# Altium PCB Axiom_Gamma_LSB.PcbDoc (part 1 of 4) (continued)
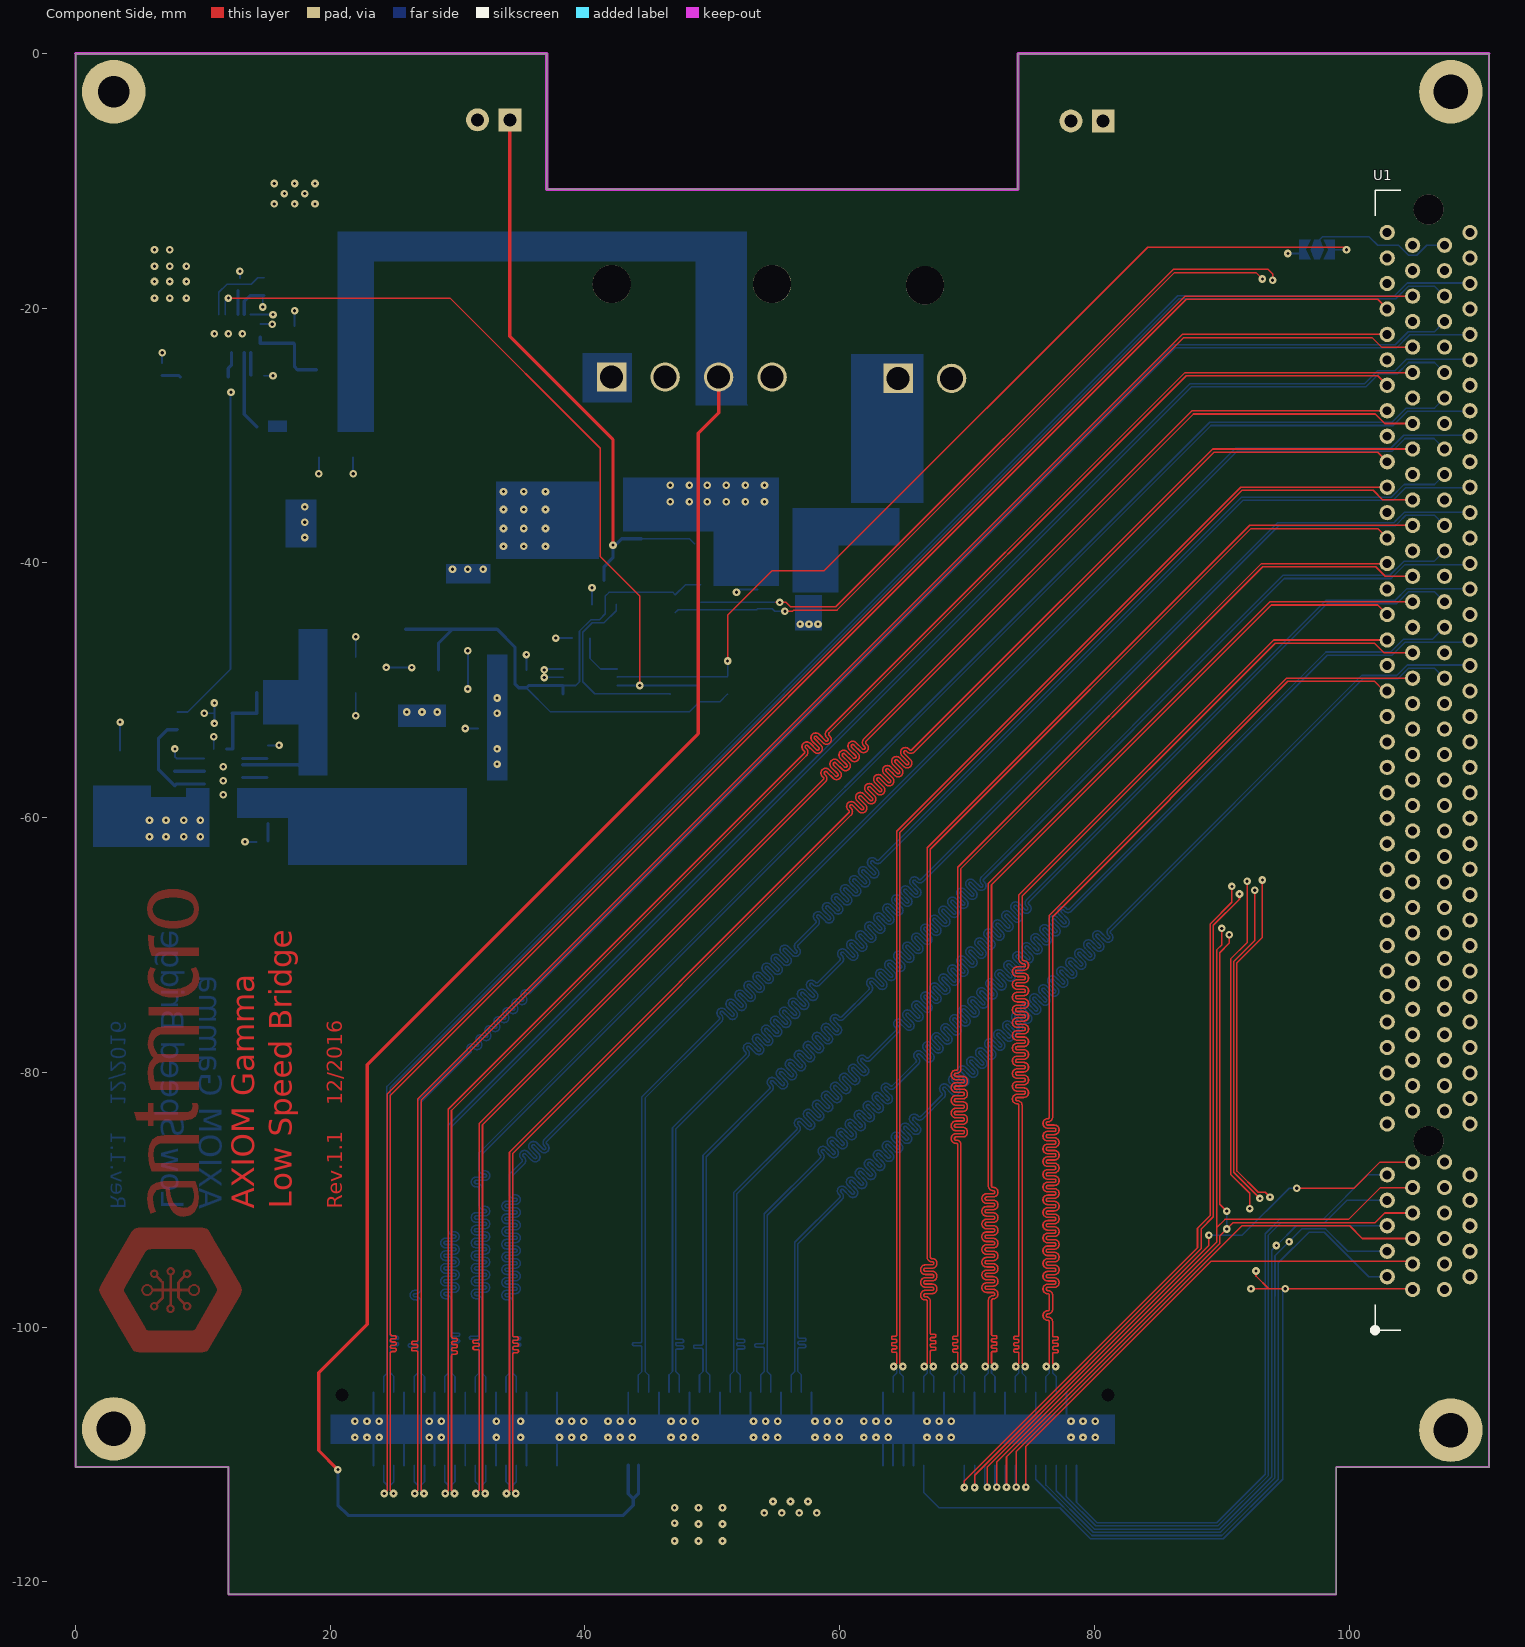
[diagram p0: Component Side view]
## Footprints (in the part's own frame and the unit in brackets; to place one, negate y for a bottom-side part, rotate by r counter-clockwise, add the part's x,y. Pads: shape width x height; smd on the part's side, far side on the other; paste and mask are expansions set on the pad) (continued)
  round 2.35 hole 2.35 unplated: ""(-29.9,0) ""(43.25,0)
  silkscreen extent -44.95,2.2 44.75,4.4, body extent -44.55,-5.1 44.45,3.7, height 11
"HEADER_1X2_male 2.54mm Angle" [mm] "Pinhead male 1x2 pitch 2.54mm angle"
  rect 1.8x1.8 hole 1.02: 1(0,0)
  round 1.8 hole 1.02: 2(2.54,0)
  silkscreen extent -1.27,-1.27 3.86,1.27, body extent -1.17,-0.32 3.71,10.82, height 2.13
JUMPER_2WAY [mil]
  rect 20x40 smd paste-10: 1(-45,0) 3(45,0)
  rect 15x40 smd paste-10: 2(0,0)
  Component Side region: 55,-30 20,-30 35,0 20,30 55,30
  Component Side region: -9,30 -20,0 -8,-30 9,-30 20,0 9,30
  Component Side region: -55,30 -20,30 -35,0 -20,-30 -55,-30
KEMET_A [mm] "Kemet A size package. Low desity level"
  rect 2.2x1.35 smd: 1(1.41,0) 2(-1.41,0)
  silkscreen extent -1.49,-1.5 2.71,1.1, body extent -1.59,-0.9 1.81,0.9, height 1.81
KEMET_X [mm] "Kemet X size package. Low desity level"
  rect 2.77x2.55 smd: 1(-3.215,0) 2(3.215,0)
  silkscreen extent -5.12,-2.54 4.02,2.54, body extent -3.84,-2.41 3.76,2.19, height 4.31
MSOP10 [mm] "MSOP, 10-Leads, Body 3.00x3.00mm, Pitch 0.50mm, IPC Medium Density"
  oval 1.65x0.3 smd: 1(-2.05,1) 2(-2.05,0.5) 3(-2.05,0) 4(-2.05,-0.5) 5(-2.05,-1) 6(2.05,-1) 7(2.05,-0.5) 8(2.05,0) 9(2.05,0.5) 10(2.05,1)
  silkscreen extent -2.18,-1.55 0.82,1.82, body extent -1.55,-1.55 1.55,1.55, height 1.1
MSOP-8 [mm]
  oval 1.6x0.45 smd: 1(-2.125,0.975) 2(-2.125,0.325) 3(-2.125,-0.325) 4(-2.125,-0.975) 5(2.125,-0.975) 6(2.125,-0.325) 7(2.125,0.325) 8(2.125,0.975)
  silkscreen extent -2.25,-1.55 0.92,1.87, body extent -2.45,-1.52 2.45,1.48, height 1.15
QFN-24_3x5mm [mm] "QFN, 24-Leads, Body 3,00x5,00mm, Pitch 0,50mm, Thermal Pad 1,65x3,65mm, IPC Medium Density"
  oval 0.8x0.3 smd: 1(-1.5,1.75) 2(-1.5,1.25) 3(-1.5,0.75) 4(-1.5,0.25) 5(-1.5,-0.25) 6(-1.5,-0.75) 7(-1.5,-1.25) 8(-1.5,-1.75) 13(1.5,-1.75) 14(1.5,-1.25) 15(1.5,-0.75) 16(1.5,-0.25) 17(1.5,0.25) 18(1.5,0.75) 19(1.5,1.25) 20(1.5,1.75)
  oval 0.3x0.8 smd: 9(-0.75,-2.5) 10(-0.25,-2.5) 11(0.25,-2.5) 12(0.75,-2.5) 21(0.75,2.5) 22(0.25,2.5) 23(-0.25,2.5) 24(-0.75,2.5)
  rect 1.65x3.65 smd: 25(0,0)
  silkscreen extent -2.48,-2.7 1.7,2.7, body extent -1.55,-2.55 1.55,2.55, height 0.8
QSE-060-01-L-D-A [mm]
  round 0 hole 1.02: 0(-30.063,2.66) 0(30.064,2.66)
  rect 0.41x2.27 smd: 1(-27.601,-2.865) 2(-27.601,2.865) 3(-26.801,-2.865) 4(-26.801,2.865) 5(-26.001,-2.865) 6(-26.001,2.865) 7(-25.201,-2.865) 8(-25.201,2.865) 9(-24.401,-2.865) 10(-24.401,2.865) 11(-23.601,-2.865) 12(-23.601,2.865) 13(-22.801,-2.865) 14(-22.801,2.865) 15(-22.001,-2.865) 16(-22.001,2.865) 17(-21.201,-2.865) 18(-21.201,2.865) 19(-20.401,-2.865) 20(-20.401,2.865) 21(-19.601,-2.865) 22(-19.601,2.865) 23(-18.801,-2.865) 24(-18.801,2.865) 25(-18.001,-2.865) 26(-18.001,2.865) 27(-17.201,-2.865) 28(-17.201,2.865) 29(-16.401,-2.865) 30(-16.401,2.865) 31(-15.601,-2.865) 32(-15.601,2.865) 33(-14.801,-2.865) 34(-14.801,2.865) 35(-14.001,-2.865) 36(-14.001,2.865) 37(-13.201,-2.865) 38(-13.201,2.865) 39(-12.401,-2.865) 40(-12.401,2.865) 41(-7.598,-2.865) 42(-7.598,2.865) 43(-6.798,-2.865) 44(-6.798,2.865) 45(-5.998,-2.865) 46(-5.998,2.865) 47(-5.198,-2.865) 48(-5.198,2.865) 49(-4.398,-2.865) 50(-4.398,2.865) 51(-3.598,-2.865) 52(-3.598,2.865) 53(-2.798,-2.865) 54(-2.798,2.865) 55(-1.998,-2.865) 56(-1.998,2.865) 57(-1.198,-2.865) 58(-1.198,2.865) 59(-0.398,-2.865) 60(-0.398,2.865) 61(0.402,-2.865) 62(0.402,2.865) 63(1.202,-2.865) 64(1.202,2.865) 65(2.002,-2.865) 66(2.002,2.865) 67(2.802,-2.865) 68(2.802,2.865) 69(3.602,-2.865) 70(3.602,2.865) 71(4.402,-2.865) 72(4.402,2.865) 73(5.202,-2.865) 74(5.202,2.865) 75(6.002,-2.865) 76(6.002,2.865) 77(6.802,-2.865) 78(6.802,2.865) 79(7.602,-2.865) 80(7.602,2.865) 81(12.402,-2.865) 82(12.402,2.865) 83(13.202,-2.865) 84(13.202,2.865) 85(14.002,-2.865) 86(14.002,2.865) 87(14.802,-2.865) 88(14.802,2.865) 89(15.602,-2.865) 90(15.602,2.865) 91(16.402,-2.865) 92(16.402,2.865) 93(17.202,-2.865) 94(17.202,2.865) 95(18.002,-2.865) 96(18.002,2.865) 97(18.802,-2.865) 98(18.802,2.865) 99(19.602,-2.865) 100(19.602,2.865) 101(20.402,-2.865) 102(20.402,2.865) 103(21.202,-2.865) 104(21.202,2.865) 105(22.002,-2.865) 106(22.002,2.865) 107(22.802,-2.865) 108(22.802,2.865) 109(23.602,-2.865) 110(23.602,2.865) 111(24.402,-2.865) 112(24.402,2.865) 113(25.202,-2.865) 114(25.202,2.865) 115(26.002,-2.865) 116(26.002,2.865) 117(26.802,-2.865) 118(26.802,2.865) 119(27.602,-2.865) 120(27.602,2.865)
  rect 2.54x0.43 smd: 121(-28.068,-0.007) 124(-11.941,-0.007) 125(-8.057,-0.006) 128(8.071,-0.006) 129(11.943,-0.006) 132(28.071,-0.006)
  rect 4.7x0.43 smd: 122(-23.176,-0.007) 123(-16.831,-0.006) 126(-3.166,-0.006) 127(3.18,-0.006) 130(16.833,-0.006) 131(23.179,-0.006)
  silkscreen extent -30.86,-4.2 30.86,4.2, body extent -30.68,-3.77 30.61,3.72, height 3.05
SMC-403-03 [mm] "SMC-403-03 package"
  rect 3x3.81 smd: A(-3.56,0) C(3.56,0)
  silkscreen extent -3.9,-3.15 4.65,3.15, body extent -4.13,-3.13 3.87,2.82, height 2.2
SOIC-SN8_M [mm] "SOIC, 8-Leads, Body 4.9x3.8mm, Pitch 1.27mm, IPC Low Density"
  oval 2.5x0.7 smd: 1(-2.45,1.905) 2(-2.45,0.635) 3(-2.45,-0.635) 4(-2.45,-1.905) 5(2.45,-1.905) 6(2.45,-0.635) 7(2.45,0.635) 8(2.45,1.905)
  silkscreen extent -2.58,-2.5 0.8,2.93, body extent -3.1,-2.52 3.1,2.48, height 1.76
SOT223 [mm] "SOT-223/SC-73; 4 Leads; Body 6.7 x 7.3 mm, inc. leads (LxW max)"
  rect 1.1x2.15 smd: 1(-2.3,-3.1) 2(0,-3.1) 3(2.3,-3.1)
  rect 3.5x2.15 smd: 4(0,3.1)
  silkscreen extent -3.35,-4.85 3.35,1.63, body extent -3.25,-3.48 3.25,3.48, height 1.61
SOT-23 [mm] "SOT23, 3-Leads, Body 2.90x2.45mm, Pitch 0.95mm, IPC Medium Density"
  rect 1.5x0.55 smd: 1(-0.95,0.95) 2(-0.95,-0.95) 3(0.95,0)
  silkscreen extent 0.2,-1.5 0.7,1.5, body extent -1.13,-1.5 1.13,1.5, height 1.21
WE-LHMI [mm]
  rect 2.95x3.5 smd: 1(-2.725,0) 2(2.725,0)
  body extent -3.71,-3.17 3.59,3.43, height 4.81
WE_649002127222 [mm] "Single row Right angle header With mounting pegs 02p"
  rect 2.3x2.3 hole 1.8: 1(-2.1,0)
  round 2.3 hole 1.8: 2(2.1,0)
  round 3 hole 3 unplated: ""(0,-7.3)
  silkscreen extent -4.8,-13.7 4.8,-0.9, body extent -4.8,-13.92 4.8,0.53, height 7.21
WE_649004127222 [mm] "Single row Right angle header With mounting pegs 04p"
  rect 2.3x2.3 hole 1.8: 1(-6.3,0)
  round 2.3 hole 1.8: 2(-2.1,0) 3(2.1,0) 4(6.3,0)
  round 3 hole 3 unplated: ""(-6.3,-7.3) ""(6.3,-7.3)
  silkscreen extent -9,-13.7 9,-0.9, body extent -9,-13.9 9,0.55, height 7.21

## Part data
C1 C2 C3 C4 C9 C11 C12 C14: library part C_0402, "MLCC SMT Capacitor 0402"
C5 C6 C7 C8: library part C_1206, "MLCC SMT Capacitor 1206"
C10 C13: library part CPol_X, "Tantalum SMT Capacitor Case KEMET_X"
C15 C17 C18: library part C_0603, "MLCC SMT Capacitor  0603"
C16: library part CPol_A, "Tantalum SMT Capacitor Case KEMET_A"
D1 D2: "ON SEMICONDUCTOR  MBRS540T3G  Rectifier Diode, Single, 40 V, 5 A, 500 mV, 190 A, 150 °C"
F1: "MULTICOMP  MC12CF 005  Fuse, Surface Mount, 12CF Series, 5 A, 32 VAC, 63 VDC, Very Fast Acting, 1206"
IC1 IC2: "LINEAR TECHNOLOGY  LT3976IUDD#PBF  DC-DC Switching Buck (Step Down) Regulator, Adjustable, 4.3V-40Vin, 1.2V-39.2Vout, 5Aout, QFN-24"
IC3: "VISHAY  SI4401BDY-T1-E3  MOSFET Transistor, P Channel, -8.7 A, -40 V, 0.011 ohm, -10 V, -3 V"
IC4: "TEXAS INSTRUMENTS  LM2936MP-3.3/NOPB  Fixed LDO Voltage Regulator, 5.5V to 40V, 200mV Dropout, 3.3Vout, 50mAout, SOT-223-3"
IC5: "LINEAR TECHNOLOGY  LTC4151IMS-1#PBF  High Voltage I2C Current and Voltage Monitor, 7V-80Vin, MSOP-10"
IC6: "TEXAS INSTRUMENTS  LM3881MME/NOPB  Power Sequencer, 3-Monitors, 2.7V-5.5Vin,VSSOP-8"
J1: "SAMTEC 	QSE-60-01-L-D-A  Stacking Board Connector, Dual Row, QSE Series, Receptacle, 0.8 m, 120 Contacts, Surface Mount"
J2 J5: library part HEADER_1X2_male_angle, "1x2 pinhead male angle"
J3: library part WE_649002127222, "4.20mm Male Single Row Angled Header w. Mounting Pegs WR-MPC4"
J4: library part WE_649004127222, "4.20mm Male Single Row Angled Header w. Mounting Pegs WR-MPC4"
JP1: library part "Jumper 2 way"
L1: library part Wurth-74437346033, "3.3 uH, 5.0A, 0.03 ohm, SMD Power Inductor"
L2: library part Wurth-74437346068, "6.8 uH, 3.4A, 0.054 ohm, SMD Power Inductor"
R1 R6 R7 R10 R11: library part R_0402, "SMT Resistor 0402"
R2 R3 R4 R5 R8 R9 R12 R14 R15 R16 R17 R18: library part R_0603, "SMT Resistor 0603"
R13: library part R_2512, "SMT Resistor 2512"
T1: library part BSS138, "MOSFET, N CH, 60V, 0.2A"
U1: "PCI Express x16 164 2.36 mm"

## Free pads (board coordinates)
  round 5 hole 2.7 unplated: M(3,-108) M(108,-108.1) M(108,-3)
  round 5 hole 2.5 unplated: M(3,-3)

## Via types
v1: diameter 0.6, hole 0.25, Component Side to Solder Side, 241 vias

## Nets (pads, with @x,y where several pads share a name; then routed paths per layer and width w, separated by ;. In a path a pad name is that pad's centre, name@x,y a point inside that pad or via, vN(x,y) a via of type N, cw(c..) or ccw(c..) an arc to the next point about the centre after c; other vN are vias at no path point)
2V: C1.1 C5.2 C6.2 IC1.2 J4.1 L1.2 R1.2 | length 4.4
  Solder Side w0.254: IC1.2@13.1,-55.85 17.45,-55.85 17.5,-55.9
3V3_INT: C16.1 C17.2 IC4.3 IC6.1 IC6.2 R14.2 R15.2 R16.2 R17.2 R18.2 | length 54.9
  Solder Side w0.125: C17.2@35.4,-49.799 37.3,-51.698 R14.2@46.7,-51.698 48.2,-51.698 R15.2@49,-50.899 50.6,-50.899 R16.2@51.2,-50.298 ; IC6.2@38.275,-49.625 39.275,-49.625 39.57,-49.33 39.57,-45.348 40.468,-44.45 41.15,-44.45 41.6,-44 41.6,-42.6 41.888,-42.312 46.911,-42.312 R18.2@47.1,-42.501 47.9,-41.701 R17.2@49.1,-41.701
  Solder Side w0.254: C16.1@25.918,-45.2 29.6,-45.2 ; IC4.3@28.5,-48.4 28.5,-46.3 29.6,-45.2 ; IC6.1@38.275,-50.275 IC6.2@38.275,-49.625 35.574,-49.625 C17.2@35.4,-49.799 34.799,-49.799 34.5,-49.5 34.5,-46.6 33.1,-45.2 29.6,-45.2
12V: C2.1 C7.2 C8.2 IC2.2 J1.77 J1.79 J4.3 L2.2 R2.1 | length 138.4
  Component Side w0.254: v1(20.6,-111.2) 19.1,-109.7 19.1,-103.6 22.9,-99.8 22.9,-79.4 48.9,-53.4 48.9,-29.8 50.5,-28.2 J4.3@50.5,-25.4
  Solder Side w0.254: IC2.2@13.25,-23.5 13.25,-28.325 L2.2@14.225,-29.3 ; v1(20.6,-111.2) 20.6,-114 21.4,-114.8 43,-114.8 43.8,-114 43.8,-113.5 ; J1.79@43.398,-110.865 43.398,-113.098 43.8,-113.5 ; J1.77@44.198,-110.865 44.198,-113.102 43.8,-113.5
12V_GOOD: IC2.19 R3.1 R5.1 | length 38.8
  Signal Layer w0.125: v1(12.2,-26.6) 14.7,-24.1 v1(14.7,-19.9)
  Solder Side w0.125: R5.1@8,-51.701 8.799,-51.701 12.162,-48.338 12.162,-26.562 v1(12.2,-26.6) ; v1(14.7,-19.9) 14.7,-19.099 R3.1@14.8,-18.998
  Solder Side w0.254: IC2.19@13.25,-20.5 13.25,-19.45 13.702,-18.998 R3.1@14.8,-18.998
BATTERY_IN: F1.1 J3.1
BATTERY_IN_FUSED: F1.2 IC5.1 IC5.2 R13.1
BROADCASTBUS_BS0: IC5.7 J1.7 R17.1 U1.A4 | length 188.4
  Component Side w0.125: 55,-43.1 v1(55.3,-43.1) 55.8,-43.1 56.15,-43.45 59.697,-43.45 86.196,-16.95 93.65,-16.95 94,-17.3 v1(94,-17.8) ; v1(93.2,-64.9) 93.2,-69.4 91.2,-71.4 91.2,-87.746 92.866,-89.412 93.412,-89.412 v1(93.8,-89.8)
  Signal Layer w0.125: 55,-43.1 v1(55.3,-43.1) ; v1(93.2,-64.9) 93.2,-64.5 92.15,-63.45 92.15,-19.65 v1(94,-17.8) ; v1(93.8,-89.8) 93.8,-92.4 94.7,-93.3 v1(95.3,-93.3)
  Solder Side w0.125: R17.1@49.101,-43.1 IC5.7@53.55,-43.1 v1(55.3,-43.1) ; J1.7@76.201,-110.865 76.201,-112.412 79.913,-116.124 89.917,-116.124 94.174,-111.867 94.174,-97.598 94.186,-97.586 94.186,-94.414 96.3,-92.3 98.154,-92.3 99.904,-94.05 U1.A4@103,-94.05 U1.A4@103,-93.5
BROADCASTBUS_BS1: IC5.6 J1.5 R18.1 U1.A6 | length 185.9
  Component Side w0.125: v1(55.7,-43.8) 56.3,-43.8 56.4,-43.7 59.8,-43.7 86.3,-17.2 92.7,-17.2 v1(93.2,-17.7) ; v1(92.593,-65.7) 92.593,-69.654 90.95,-71.296 90.95,-87.85 v1(93,-89.9)
  Signal Layer w0.125: v1(92.593,-65.7) 92.546,-65.654 92.546,-64.2 91.9,-63.554 91.9,-19 v1(93.2,-17.7) ; v1(93,-89.9) 93.3,-90.2 93.3,-92.6 v1(94.3,-93.6)
  Solder Side w0.125: R18.1@47.1,-43.898 47.331,-43.667 53.483,-43.667 IC5.6@53.55,-43.6 54.7,-43.6 54.9,-43.8 v1(55.7,-43.8) ; J1.5@77.001,-110.865 77.001,-112.859 80.017,-115.874 89.813,-115.874 93.924,-111.763 93.924,-93.976 v1(94.3,-93.6) 95.85,-92.05 U1.A6@103,-92.05
BROADCASTBUS_BS2: J1.3 U1.A8 | length 50.2
  Solder Side w0.125: J1.3@77.801,-110.865 77.801,-113.305 80.112,-115.616 89.718,-115.616 93.674,-111.66 93.674,-92.78 94.654,-91.8 98.1,-91.8 99.85,-90.05 U1.A8@103,-90.05
BROADCASTBUS_BS3: J1.1 U1.A10 | length 50.3
  Solder Side w0.125: J1.1@78.601,-110.865 78.601,-113.751 80.216,-115.366 89.614,-115.366 93.424,-111.556 93.424,-92.676 94.55,-91.55 97.95,-91.55 101.45,-88.05 U1.A10@103,-88.05
BROADCASTBUS_CLK: J1.9 U1.A2 | length 51.8
  Solder Side w0.125: J1.9@75.401,-110.865 75.401,-111.966 79.81,-116.374 90.02,-116.374 94.436,-111.958 94.436,-94.964 96.85,-92.55 98.05,-92.55 101.55,-96.05 U1.A2@103,-96.05
FLAG1: IC6.8 R14.1 T1.1 | length 15
  Solder Side w0.125: T1.1@42.45,-43.25 42.45,-43.75 41.5,-44.7 40.571,-44.7 39.83,-45.441 39.83,-49.33 40.775,-50.275 IC6.8@42.525,-50.275 46.674,-50.275 R14.1@46.7,-50.301
FLAG2: IC2.16 IC6.7 R15.1 | length 61.8
  Component Side w0.125: v1(12,-19.2) 29.4,-19.2 41.2,-31 41.2,-39.5 44.3,-42.6 v1(44.3,-49.625)
  Solder Side w0.125: IC2.16@11.75,-20.5 11.75,-19.45 v1(12,-19.2) ; IC6.7@42.525,-49.625 v1(44.3,-49.625) R15.1@48.877,-49.625
FLAG3: IC6.6 JP1.1 R16.1 | length 75.3
  Component Side w0.125: v1(51.2,-47.7) 51.2,-44.1 54.7,-40.6 58.8,-40.6 84.188,-15.212 99.612,-15.212 v1(99.8,-15.4)
  Solder Side w0.125: IC6.6@42.525,-48.975 42.567,-48.933 51.169,-48.933 R16.1@51.2,-48.901 v1(51.2,-47.7) ; JP1.1@98.643,-15.4 v1(99.8,-15.4)
GND: C5.1 C6.1 C7.1 C8.1 C9.1 C10.2 C11.1 C12.1 C13.2 C14.1 C15.2 C16.2 C17.1 C18.2 D1.A D2.A IC1.20 IC1.21 IC1.25 IC2.20 IC2.21 IC2.25 IC4.2 IC4.4 IC5.3 IC5.4 IC5.5 IC5.9 IC6.3 IC6.4 J1.4 J1.10 J1.16 J1.22 J1.28 J1.33 J1.34 J1.35 J1.37 J1.39 J1.40 J1.44 J1.50 J1.56 J1.62 J1.68 J1.74 J1.80 J1.83 J1.84 J1.89 J1.90 J1.95 J1.96 J1.101 J1.102 J1.107 J1.108 J1.113 J1.114 J1.119 J1.120 J1.121 J1.122 J1.123 J1.124 J1.125 J1.126 J1.127 J1.128 J1.129 J1.130 J1.131 J1.132 J3.2 J4.2 J4.4 J5.2 R8.2 R9.1 R10.1 R11.1 T1.2 U1.A12 U1.A15 U1.A16 U1.A19 U1.A20 U1.A23 U1.A24 U1.A27 U1.A28 U1.A31 U1.A32 U1.A35 U1.A36 U1.A39 U1.A40 U1.A43 U1.A44 U1.A45 U1.A48 U1.A51 U1.A54 U1.A57 U1.A60 U1.A63 U1.A66 U1.A69 U1.A72 U1.A75 U1.A78 U1.A81 U1.B4 U1.B7 U1.B8 U1.B12 U1.B13 U1.B14 U1.B17 U1.B18 U1.B21 U1.B22 U1.B25 U1.B26 U1.B29 U1.B30 U1.B33 U1.B34 U1.B37 U1.B38 U1.B41 U1.B42 U1.B45 U1.B46 U1.B49 U1.B52 U1.B55 U1.B58 U1.B61 U1.B64 U1.B67 U1.B70 U1.B73 U1.B76 U1.B79 U1.B80 | length 101.4
  Component Side w0.152: v1@51.8,-42.2 v1(51.9,-42.3)
  Solder Side w0.152: C10.2@3.5,-54.725 v1(3.5,-52.5) ; C14.1@6.8,-24.32 v1(6.8,-23.5) ; v1(7.8,-54.6) R10.1@7.8,-55.22 7.93,-55.35 IC1.20@10.1,-55.35 ; v1(10.1,-51.8) 10.102,-51.801 R8.2@10.9,-51.801 ; IC1.21@10.85,-54.6 v1(10.85,-53.65) v1@10.9,-53.6 ; R8.2@10.899,-51.8 10.899,-51.002 v1(10.9,-51) ; v1@10.901,-52.599 R8.2@10.901,-51.8 ; R11.1@12.9,-17.627 v1(12.9,-17.1) ; v1(13.3,-61.9) C12.1@14.22,-61.9 ; IC2.20@13.75,-20.5 v1(15.5,-20.5) ; IC2.21@14.5,-21.25 v1(15.45,-21.25) ; C11.1@14.78,-25.3 v1(15.5,-25.3) ; C9.1@15.1,-54.32 v1(15.98,-54.32) ; R9.1@17.2,-21.401 v1(17.2,-20.2) ; v1(19.1,-33) C7.1@19.1,-31.7 ; v1(21.8,-33) C8.1@21.8,-31.7 ; v1(22,-52) C6.1@22,-50.2 ; C5.1@22,-47.4 v1(22,-45.8) ; J1.119@23.398,-110.865 23.398,-108.702 ; 23.398,-107.098 J1.120@23.398,-105.135 ; v1(24.4,-48.2) 24.41,-48.21 25.4,-48.21 26.39,-48.21 v1(26.4,-48.22) ; J1.113@25.798,-110.865 25.798,-108.902 ; 25.798,-107.398 J1.114@25.798,-105.135 ; J1.107@28.198,-110.865 28.198,-108.702 ; 28.198,-107.198 J1.108@28.198,-105.135 ; J1.101@30.598,-110.865 30.598,-108.902 ; 30.598,-106.998 J1.102@30.598,-105.135 ; v1(30.6,-53) C15.2@31.602,-53 ; v1(30.8,-49.9) IC4.2@30.8,-48.4 v1(30.8,-46.9) ; J1.95@32.998,-110.865 v1@32.998,-108.713 ; 32.998,-106.898 J1.96@32.998,-105.135 ; J1.89@35.398,-110.865 35.398,-108.702 ; 35.398,-107.098 J1.90@35.398,-105.135 ; C17.1@35.4,-48.402 v1(35.4,-47.2) ; v1(36.8,-49) 36.825,-48.975 IC6.3@38.275,-48.975 ; v1(36.8,-48.4) 36.875,-48.325 IC6.4@38.275,-48.325 ; v1(37.7,-45.9) C18.2@39.001,-45.9 ; J1.83@37.798,-110.865 37.798,-109.002 ; 37.798,-106.902 J1.84@37.798,-105.135 ; T1.2@40.55,-43.25 v1(40.55,-41.95) ; 43.398,-107.102 J1.80@43.398,-105.135 ; 45.798,-107.102 J1.74@45.798,-105.135 ; 48.198,-107.398 J1.68@48.198,-105.135 ; 50.598,-107.602 J1.62@50.598,-105.135 ; v1(51.9,-42.3) 52.1,-42.1 IC5.9@53.55,-42.1 ; 52.998,-107.098 J1.56@52.998,-105.135 ; 55.398,-107.198 J1.50@55.398,-105.135 ; 57.798,-106.998 J1.44@57.798,-105.135 ; J1.39@63.401,-110.865 63.401,-108.999 ; 63.401,-107.299 J1.40@63.401,-105.135 ; J1.37@64.201,-110.865 64.201,-109.001 ; J1.35@65.001,-110.865 65.001,-108.801 ; J1.33@65.801,-110.865 65.801,-109.101 ; 65.801,-107.201 J1.34@65.801,-105.135 ; 68.201,-107.399 J1.28@68.201,-105.135 ; 70.601,-107.299 J1.22@70.601,-105.135 ; 73.001,-106.901 J1.16@73.001,-105.135 ; 75.401,-107.001 J1.10@75.401,-105.135 ; 77.801,-106.999 J1.4@77.801,-105.135
  other v1: 21.932,-108.667 22.885,-108.667 23.837,-108.667 27.774,-108.667 28.727,-108.667 33.045,-108.667 34.95,-108.667 37.998,-108.667 38.95,-108.667 39.903,-108.667 41.808,-108.667 42.76,-108.667 43.713,-108.667 46.761,-108.667 47.713,-108.667 48.666,-108.667 53.238,-108.667 54.19,-108.667 55.143,-108.667 58.064,-108.667 59.016,-108.667 59.969,-108.667 61.908,-108.667 62.86,-108.667 63.813,-108.667 66.861,-108.667 67.813,-108.667 68.766,-108.667 78.164,-108.667 79.116,-108.667 80.069,-108.667 21.932,-107.397 22.885,-107.397 23.837,-107.397 27.774,-107.397 28.727,-107.397 33.045,-107.397 34.95,-107.397 37.998,-107.397 38.95,-107.397 39.903,-107.397 41.808,-107.397 42.76,-107.397 43.713,-107.397 46.761,-107.397 47.713,-107.397 48.666,-107.397 53.238,-107.397 54.19,-107.397 55.143,-107.397 58.064,-107.397 59.016,-107.397 59.969,-107.397 61.908,-107.397 62.86,-107.397 63.813,-107.397 66.861,-107.397 67.813,-107.397 68.766,-107.397 78.164,-107.397 79.116,-107.397 80.069,-107.397 11.6,-58.2 11.6,-57.1 11.6,-56 10.9,-52.6 26,-51.7 27.2,-51.7 28.4,-51.7 56.9,-44.8 57.6,-44.8 58.3,-44.8 29.6,-40.5 30.8,-40.5 32,-40.5 18,-38 18,-36.8 18,-35.6 10.9,-22 12,-22 13.1,-22 15.6,-11.8 17.2,-11.8 18.8,-11.8 16.4,-11 18,-11 15.6,-10.2 17.2,-10.2 18.8,-10.2
HSIOM2_LVDS_0_N: J1.118 U1.B78 | length 135.4
  Solder Side w0.125: J1.118@24.198,-105.135 24.198,-103.893 24.45,-103.642 24.45,-102.9 24.45,-101.6 24.45,-100.6 24.45,-81.116 86.554,-19.012 103.57,-19.012 104.57,-18.012 106.712,-18.012 109.462,-18.012 U1.B78@109.5,-18.05 U1.B78@109.5,-18.164
HSIOM2_LVDS_0_P: J1.116 U1.B77 | length 135.4
  Solder Side w0.125: J1.116@24.998,-105.135 24.998,-103.893 24.7,-103.595 24.7,-102.9 24.7,-101.6 cw(c24.825,-101.6) 24.825,-101.475 25.232,-101.475 ccw(c25.232,-101.35) 25.357,-101.35 ccw(c25.232,-101.35) 25.232,-101.225 24.825,-101.225 cw(c24.825,-101.1) 24.7,-101.1 cw(c24.825,-101.1) 24.825,-100.975 25.232,-100.975 ccw(c25.232,-100.85) 25.357,-100.85 ccw(c25.232,-100.85) 25.232,-100.725 24.825,-100.725 cw(c24.825,-100.6) 24.7,-100.6 24.7,-81.22 86.658,-19.262 103.674,-19.262 104.674,-18.262 106.712,-18.262 U1.B77@107.5,-19.05
HSIOM2_LVDS_1_N: J1.112 U1.B75 | length 135.9
  Solder Side w0.125: J1.112@26.598,-105.135 26.598,-103.893 26.873,-103.618 26.873,-101.7 ccw(c26.748,-101.7) 26.748,-101.575 26.254,-101.575 cw(c26.254,-101.45) 26.129,-101.45 cw(c26.254,-101.45) 26.254,-101.325 26.748,-101.325 ccw(c26.748,-101.2) 26.873,-101.2 26.873,-100 26.873,-98 ccw(c26.748,-98) 26.748,-97.875 26.648,-97.875 cw(c26.648,-97.5) 26.273,-97.5 cw(c26.648,-97.5) 26.648,-97.125 26.748,-97.125 ccw(c26.748,-97) 26.873,-97 26.873,-82.249 30.793,-78.329 cw(c31.106,-78.123) 30.841,-77.858 cw(c31.106,-78.123) 31.371,-77.858 31.442,-77.928 ccw(c31.53,-77.84) 31.618,-77.928 ; 31.618,-77.751 cw(c31.53,-77.84) 31.655,-77.84 cw(c31.53,-77.84) 31.619,-77.928 ; 31.619,-77.752 31.548,-77.681 cw(c31.813,-77.416) 31.548,-77.15 cw(c31.813,-77.416) 32.078,-77.15 32.149,-77.221 ccw(c32.237,-77.133) 32.326,-77.221 ccw(c32.237,-77.133) 32.362,-77.133 ccw(c32.237,-77.133) 32.326,-77.044 32.255,-76.974 cw(c32.52,-76.708) 32.255,-76.443 cw(c32.52,-76.708) 32.785,-76.443 32.856,-76.514 ccw(c32.944,-76.426) 33.032,-76.514 ccw(c32.944,-76.426) 33.069,-76.426 ccw(c32.944,-76.426) 33.033,-76.337 32.962,-76.267 cw(c33.227,-76.001) 32.962,-75.736 cw(c33.227,-76.001) 33.492,-75.736 33.563,-75.807 ccw(c33.651,-75.719) 33.739,-75.807 ; 33.74,-75.807 ccw(c33.651,-75.718) 33.776,-75.718 ccw(c33.651,-75.718) 33.74,-75.63 33.669,-75.559 cw(c33.934,-75.294) 33.669,-75.029 cw(c33.934,-75.294) 34.199,-75.029 34.27,-75.1 ccw(c34.359,-75.011) 34.447,-75.1 ; 34.447,-75.099 ccw(c34.359,-75.011) 34.484,-75.011 ccw(c34.359,-75.011) 34.447,-74.923 34.412,-74.888 34.376,-74.852 cw(c34.641,-74.587) 34.376,-74.322 cw(c34.641,-74.587) 34.907,-74.322 34.942,-74.357 34.977,-74.393 ccw(c35.066,-74.304) 35.154,-74.393 ; 35.083,-74.145 35.119,-74.18 ; 35.083,-74.145 cw(c35.349,-73.88) 35.083,-73.615 cw(c35.349,-73.88) 35.555,-73.567 86.26,-22.862 103.632,-22.862 104.656,-21.838 106.712,-21.838 U1.B75@107.5,-21.05 ; 35.119,-74.181 35.154,-74.216 cw(c35.066,-74.304) 35.191,-74.304 cw(c35.066,-74.304) 35.154,-74.392
HSIOM2_LVDS_1_P: J1.110 U1.B74 | length 136
  Solder Side w0.125: J1.110@27.398,-105.135 27.398,-103.893 27.123,-103.618 27.123,-101.7 27.123,-101.2 27.123,-100 27.123,-98 ccw(c26.748,-98) 26.748,-97.625 26.648,-97.625 cw(c26.648,-97.5) 26.523,-97.5 cw(c26.648,-97.5) 26.648,-97.375 26.748,-97.375 ccw(c26.748,-97) 27.123,-97 27.123,-82.353 31.017,-78.459 ccw(c30.894,-78.335) 31.069,-78.335 ccw(c30.894,-78.335) 31.017,-78.211 cw(c31.106,-78.123) 31.017,-78.035 ; 31.018,-78.034 cw(c31.106,-78.123) 31.194,-78.034 31.229,-78.07 ; 31.23,-78.07 31.265,-78.105 ccw(c31.53,-77.84) 31.795,-78.105 ccw(c31.53,-77.84) 31.905,-77.84 ccw(c31.53,-77.84) 31.795,-77.575 31.725,-77.504 cw(c31.813,-77.416) 31.725,-77.327 cw(c31.813,-77.416) 31.901,-77.327 31.972,-77.398 ccw(c32.237,-77.133) 32.502,-77.398 ccw(c32.237,-77.133) 32.612,-77.133 ccw(c32.237,-77.133) 32.502,-76.868 32.432,-76.797 cw(c32.52,-76.708) 32.432,-76.62 cw(c32.52,-76.708) 32.608,-76.62 32.679,-76.691 ccw(c32.944,-76.426) 33.209,-76.691 ccw(c32.944,-76.426) 33.319,-76.426 ccw(c32.944,-76.426) 33.209,-76.16 33.139,-76.09 cw(c33.227,-76.001) 33.138,-75.913 ; 33.139,-75.913 cw(c33.227,-76.001) 33.316,-75.913 ; 33.316,-75.913 33.386,-75.984 ccw(c33.651,-75.719) 33.917,-75.984 ccw(c33.651,-75.718) 34.026,-75.718 ccw(c33.651,-75.718) 33.917,-75.453 33.846,-75.383 cw(c33.934,-75.294) 33.845,-75.206 cw(c33.934,-75.294) 34.023,-75.206 34.058,-75.241 ; 34.058,-75.241 34.093,-75.276 ccw(c34.359,-75.011) 34.624,-75.277 ccw(c34.359,-75.011) 34.734,-75.011 ccw(c34.359,-75.011) 34.624,-74.746 34.553,-74.676 cw(c34.641,-74.587) 34.553,-74.499 cw(c34.641,-74.587) 34.73,-74.499 34.765,-74.534 34.8,-74.569 ; 34.8,-74.569 ccw(c35.066,-74.304) 35.331,-74.569 ccw(c35.066,-74.304) 35.441,-74.304 ccw(c35.066,-74.304) 35.331,-74.039 35.26,-73.969 cw(c35.349,-73.88) 35.26,-73.792 cw(c35.349,-73.88) 35.437,-73.792 ccw(c35.561,-73.668) 35.684,-73.792 86.364,-23.112 103.736,-23.112 104.76,-22.088 106.712,-22.088 109.462,-22.088 U1.B74@109.5,-22.05
HSIOM2_LVDS_2_N: J1.106 U1.B72 | length 135.9
  Solder Side w0.125: J1.106@28.998,-105.135 28.998,-103.893 29.273,-103.618 29.273,-101.6 29.273,-101.475 29.273,-101.35 29.273,-100.3 29.273,-97.9 ccw(c29.148,-97.9) 29.148,-97.775 29.048,-97.775 cw(c29.048,-97.4) 28.673,-97.4 cw(c29.048,-97.4) 29.048,-97.025 29.748,-97.025 ccw(c29.748,-96.9) 29.873,-96.9 ccw(c29.748,-96.9) 29.748,-96.775 29.048,-96.775 cw(c29.048,-96.4) 28.673,-96.4 cw(c29.048,-96.4) 29.048,-96.025 29.748,-96.025 ccw(c29.748,-95.9) 29.873,-95.9 ccw(c29.748,-95.9) 29.748,-95.775 29.048,-95.775 cw(c29.048,-95.4) 28.673,-95.4 cw(c29.048,-95.4) 29.048,-95.025 29.748,-95.025 ccw(c29.748,-94.9) 29.873,-94.9 ccw(c29.748,-94.9) 29.748,-94.775 29.048,-94.775 cw(c29.048,-94.4) 28.673,-94.4 cw(c29.048,-94.4) 29.048,-94.025 29.748,-94.025 ccw(c29.748,-93.9) 29.873,-93.9 ccw(c29.748,-93.9) 29.748,-93.775 29.048,-93.775 cw(c29.048,-93.4) 28.673,-93.4 cw(c29.048,-93.4) 29.048,-93.025 29.748,-93.025 ccw(c29.748,-92.9) 29.873,-92.9 ccw(c29.748,-92.9) 29.748,-92.775 29.648,-92.775 cw(c29.648,-92.4) 29.273,-92.4 29.273,-84.167 87.526,-25.914 101.238,-25.914 102.258,-24.894 103.632,-24.894 104.514,-24.012 106.712,-24.012 109.462,-24.012 U1.B72@109.5,-24.05
HSIOM2_LVDS_2_P: J1.104 U1.B71 | length 135.9
  Solder Side w0.125: J1.104@29.798,-105.135 29.798,-103.893 29.523,-103.618 29.523,-101.6 29.523,-101.475 29.523,-101.35 cw(c29.648,-101.35) 29.648,-101.225 30.032,-101.225 ccw(c30.032,-101.1) 30.157,-101.1 ccw(c30.032,-101.1) 30.032,-100.975 29.648,-100.975 cw(c29.648,-100.85) 29.523,-100.85 cw(c29.648,-100.85) 29.648,-100.725 30.032,-100.725 ccw(c30.032,-100.6) 30.157,-100.6 ccw(c30.032,-100.6) 30.032,-100.475 29.648,-100.475 cw(c29.648,-100.35) 29.523,-100.35 29.523,-100.3 29.523,-97.9 ccw(c29.148,-97.9) 29.148,-97.525 29.048,-97.525 cw(c29.048,-97.4) 28.923,-97.4 cw(c29.048,-97.4) 29.048,-97.275 29.748,-97.275 ccw(c29.748,-96.9) 30.123,-96.9 ccw(c29.748,-96.9) 29.748,-96.525 29.048,-96.525 cw(c29.048,-96.4) 28.923,-96.4 cw(c29.048,-96.4) 29.048,-96.275 29.748,-96.275 ccw(c29.748,-95.9) 30.123,-95.9 ccw(c29.748,-95.9) 29.748,-95.525 29.048,-95.525 cw(c29.048,-95.4) 28.923,-95.4 cw(c29.048,-95.4) 29.048,-95.275 29.748,-95.275 ccw(c29.748,-94.9) 30.123,-94.9 ccw(c29.748,-94.9) 29.748,-94.525 29.048,-94.525 cw(c29.048,-94.4) 28.923,-94.4 cw(c29.048,-94.4) 29.048,-94.275 29.748,-94.275 ccw(c29.748,-93.9) 30.123,-93.9 ccw(c29.748,-93.9) 29.748,-93.525 29.048,-93.525 cw(c29.048,-93.4) 28.923,-93.4 cw(c29.048,-93.4) 29.048,-93.275 29.748,-93.275 ccw(c29.748,-92.9) 30.123,-92.9 ccw(c29.748,-92.9) 29.748,-92.525 29.648,-92.525 cw(c29.648,-92.4) 29.523,-92.4 29.523,-84.271 87.63,-26.164 101.342,-26.164 102.362,-25.144 103.792,-25.144 104.674,-24.262 106.712,-24.262 U1.B71@107.5,-25.05
HSIOM2_LVDS_3_N: J1.100 U1.B69 | length 135.9
  Solder Side w0.125: J1.100@31.398,-105.135 31.398,-103.893 31.673,-103.618 31.673,-101.1 ccw(c31.548,-101.1) 31.548,-100.975 31.054,-100.975 cw(c31.054,-100.85) 30.929,-100.85 cw(c31.054,-100.85) 31.054,-100.725 31.548,-100.725 ccw(c31.548,-100.6) 31.673,-100.6 31.673,-100.1 31.673,-98.904 31.673,-97.9 ccw(c31.548,-97.9) 31.548,-97.775 31.448,-97.775 cw(c31.448,-97.4) 31.073,-97.4 cw(c31.448,-97.4) 31.448,-97.025 32.148,-97.025 ccw(c32.148,-96.9) 32.273,-96.9 ccw(c32.148,-96.9) 32.148,-96.775 31.448,-96.775 cw(c31.448,-96.4) 31.073,-96.4 cw(c31.448,-96.4) 31.448,-96.025 32.148,-96.025 ccw(c32.148,-95.9) 32.273,-95.9 ccw(c32.148,-95.9) 32.148,-95.775 31.448,-95.775 cw(c31.448,-95.4) 31.073,-95.4 cw(c31.448,-95.4) 31.448,-95.025 32.148,-95.025 ccw(c32.148,-94.9) 32.273,-94.9 ccw(c32.148,-94.9) 32.148,-94.775 31.448,-94.775 cw(c31.448,-94.4) 31.073,-94.4 cw(c31.448,-94.4) 31.448,-94.025 32.148,-94.025 ccw(c32.148,-93.9) 32.273,-93.9 ccw(c32.148,-93.9) 32.148,-93.775 31.448,-93.775 cw(c31.448,-93.4) 31.073,-93.4 cw(c31.448,-93.4) 31.448,-93.025 32.148,-93.025 ccw(c32.148,-92.9) 32.273,-92.9 ccw(c32.148,-92.9) 32.148,-92.775 31.448,-92.775 cw(c31.448,-92.4) 31.073,-92.4 cw(c31.448,-92.4) 31.448,-92.025 32.148,-92.025 ccw(c32.148,-91.9) 32.273,-91.9 ccw(c32.148,-91.9) 32.148,-91.775 31.448,-91.775 cw(c31.448,-91.4) 31.073,-91.4 cw(c31.448,-91.4) 31.448,-91.025 32.148,-91.025 ccw(c32.148,-90.9) 32.273,-90.9 ccw(c32.148,-90.9) 32.148,-90.775 32.048,-90.775 cw(c32.048,-90.4) 31.673,-90.4 31.673,-89.8 31.673,-89.112 ccw(c31.548,-89.112) 31.548,-88.987 31.448,-88.987 cw(c31.448,-88.612) 31.448,-88.237 32.148,-88.237 ccw(c32.148,-88.112) 32.273,-88.112 ccw(c32.148,-88.112) 32.148,-87.987 32.048,-87.987 cw(c32.048,-87.612) 31.673,-87.612 31.673,-86.339 89.054,-28.958 103.378,-28.958 104.498,-27.838 106.712,-27.838 U1.B69@107.5,-27.05
HSIOM2_LVDS_3_P: J1.98 U1.B68 | length 135.9
  Solder Side w0.125: J1.98@32.198,-105.135 32.198,-103.893 31.923,-103.618 31.923,-101.1 31.923,-100.6 31.923,-100.1 31.923,-98.8 31.923,-97.9 ccw(c31.548,-97.9) 31.548,-97.525 31.448,-97.525 cw(c31.448,-97.4) 31.323,-97.4 cw(c31.448,-97.4) 31.448,-97.275 32.148,-97.275 ccw(c32.148,-96.9) 32.523,-96.9 ccw(c32.148,-96.9) 32.148,-96.525 31.448,-96.525 cw(c31.448,-96.4) 31.323,-96.4 cw(c31.448,-96.4) 31.448,-96.275 32.148,-96.275 ccw(c32.148,-95.9) 32.523,-95.9 ccw(c32.148,-95.9) 32.148,-95.525 31.448,-95.525 cw(c31.448,-95.4) 31.323,-95.4 cw(c31.448,-95.4) 31.448,-95.275 32.148,-95.275 ccw(c32.148,-94.9) 32.523,-94.9 ccw(c32.148,-94.9) 32.148,-94.525 31.448,-94.525 cw(c31.448,-94.4) 31.323,-94.4 cw(c31.448,-94.4) 31.448,-94.275 32.148,-94.275 ccw(c32.148,-93.9) 32.523,-93.9 ccw(c32.148,-93.9) 32.148,-93.525 31.448,-93.525 cw(c31.448,-93.4) 31.323,-93.4 cw(c31.448,-93.4) 31.448,-93.275 32.148,-93.275 ccw(c32.148,-92.9) 32.523,-92.9 ccw(c32.148,-92.9) 32.148,-92.525 31.448,-92.525 cw(c31.448,-92.4) 31.323,-92.4 cw(c31.448,-92.4) 31.448,-92.275 32.148,-92.275 ccw(c32.148,-91.9) 32.523,-91.9 ccw(c32.148,-91.9) 32.148,-91.525 31.448,-91.525 cw(c31.448,-91.4) 31.323,-91.4 cw(c31.448,-91.4) 31.448,-91.275 32.148,-91.275 ccw(c32.148,-90.9) 32.523,-90.9 ccw(c32.148,-90.9) 32.148,-90.525 32.048,-90.525 cw(c32.048,-90.4) 31.923,-90.4 31.923,-89.8 31.923,-89.112 ccw(c31.548,-89.112) 31.548,-88.737 31.448,-88.737 cw(c31.448,-88.612) 31.448,-88.487 32.148,-88.487 ccw(c32.148,-88.112) 32.523,-88.112 ccw(c32.148,-88.112) 32.148,-87.737 32.048,-87.737 cw(c32.048,-87.612) 31.923,-87.612 31.923,-86.443 89.158,-29.208 103.482,-29.208 104.602,-28.088 106.712,-28.088 109.462,-28.088 U1.B68@109.5,-28.05
HSIOM2_LVDS_4_SSCLK_N: J1.94 U1.B66 | length 136.1
  Solder Side w0.125: J1.94@33.798,-105.135 33.798,-103.893 34.073,-103.618 34.073,-101.9 34.073,-101.775 34.073,-101.65 34.073,-100.6 34.073,-98 ccw(c33.948,-98) 33.948,-97.875 33.848,-97.875 cw(c33.848,-97.5) 33.473,-97.5 cw(c33.848,-97.5) 33.848,-97.125 34.548,-97.125 ccw(c34.548,-97) 34.673,-97 ccw(c34.548,-97) 34.548,-96.875 33.848,-96.875 cw(c33.848,-96.5) 33.473,-96.5 cw(c33.848,-96.5) 33.848,-96.125 34.548,-96.125 ccw(c34.548,-96) 34.673,-96 ccw(c34.548,-96) 34.548,-95.875 33.848,-95.875 cw(c33.848,-95.5) 33.473,-95.5 cw(c33.848,-95.5) 33.848,-95.125 34.548,-95.125 ccw(c34.548,-95) 34.673,-95 ccw(c34.548,-95) 34.548,-94.875 33.848,-94.875 cw(c33.848,-94.5) 33.473,-94.5 cw(c33.848,-94.5) 33.848,-94.125 34.548,-94.125 ccw(c34.548,-94) 34.673,-94 ccw(c34.548,-94) 34.548,-93.875 33.848,-93.875 cw(c33.848,-93.5) 33.473,-93.5 cw(c33.848,-93.5) 33.848,-93.125 34.548,-93.125 ccw(c34.548,-93) 34.673,-93 ccw(c34.548,-93) 34.548,-92.875 33.848,-92.875 cw(c33.848,-92.5) 33.473,-92.5 cw(c33.848,-92.5) 33.848,-92.125 34.548,-92.125 ccw(c34.548,-92) 34.673,-92 ccw(c34.548,-92) 34.548,-91.875 33.848,-91.875 cw(c33.848,-91.5) 33.473,-91.5 cw(c33.848,-91.5) 33.848,-91.125 34.548,-91.125 ccw(c34.548,-91) 34.673,-91 ccw(c34.548,-91) 34.548,-90.875 33.848,-90.875 cw(c33.848,-90.5) 33.473,-90.5 cw(c33.848,-90.5) 33.848,-90.125 34.548,-90.125 ccw(c34.548,-90) 34.673,-90 ccw(c34.548,-90) 34.548,-89.875 34.348,-89.875 cw(c34.348,-89.6) 34.073,-89.6 34.073,-88.003 35.053,-87.023 ccw(c34.965,-86.935) 35.09,-86.935 ccw(c34.965,-86.935) 35.053,-86.846 34.983,-86.776 cw(c35.248,-86.511) 34.983,-86.245 cw(c35.248,-86.511) 35.513,-86.245 36.008,-86.74 ccw(c36.096,-86.652) 36.184,-86.741 ; 36.185,-86.74 ccw(c36.096,-86.652) 36.221,-86.652 ccw(c36.096,-86.652) 36.185,-86.564 35.69,-86.069 cw(c35.955,-85.803) 35.69,-85.538 cw(c35.955,-85.803) 36.22,-85.538 36.715,-86.034 ; 36.715,-86.033 ccw(c36.803,-85.945) 36.891,-86.034 ; 36.892,-86.033 ccw(c36.803,-85.945) 36.928,-85.945 ccw(c36.803,-85.945) 36.892,-85.856 36.821,-85.786 cw(c37.086,-85.521) 36.821,-85.255 91.086,-30.99 103.278,-30.99 104.29,-29.978 106.678,-29.978 109.428,-29.978 U1.B66@109.5,-30.05